# KiCad board ciaa_acc.kicad_pcb (continued)
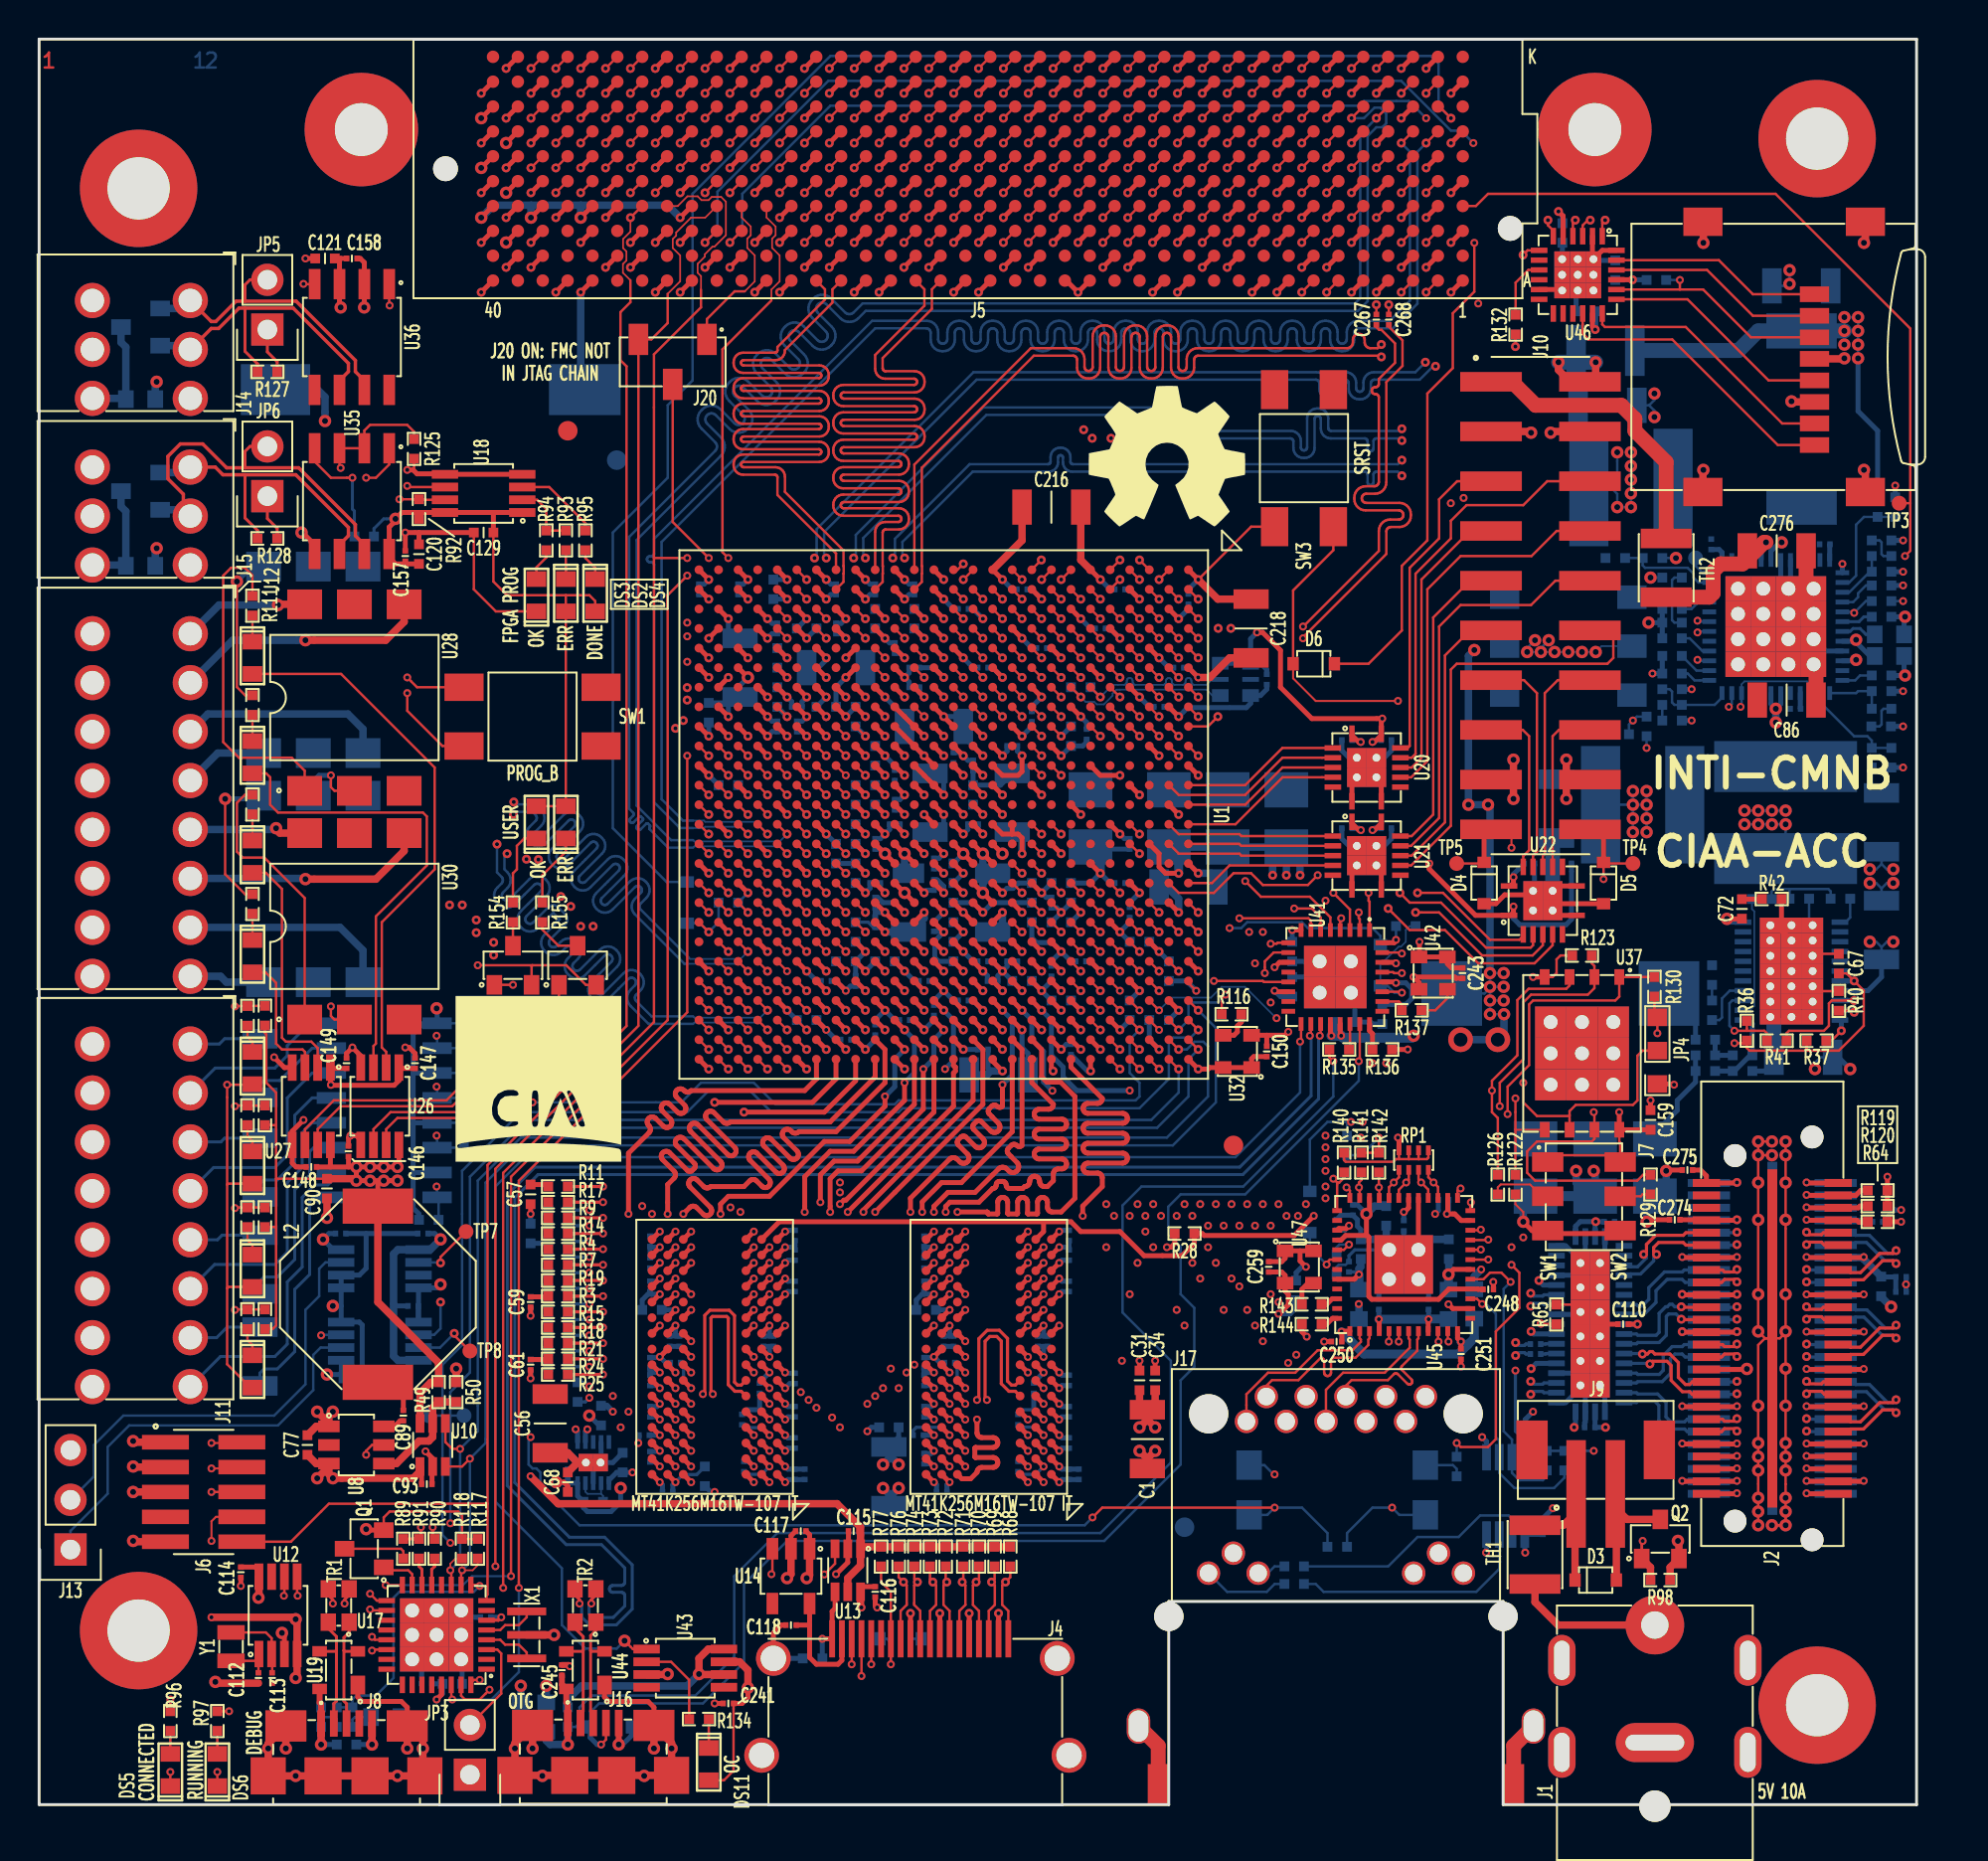
[diagram p0: board, top side]
## Routing (per net, layer and track width the routed paths; a pad name or vN(x,y) marks a point on that pad's centre or on a via; arc(x,y) is an arc through that point) (continued)
  BOT_L12.Sig w0.254: v1(38.1,22.07) 38.14,22.03 C63.2 ; U4.6 29.1,16.57 29.5,16.97 C71.2 v1(30.3,16.97) ; v1(52.1,22.07) 52.23,21.94 C64.2 ; C223.1 49.97,42.81 v2(50.2,42.57) ; v2(48.2,42.57) 48.44,42.34 C225.1
Net-(BT1-Pad1): length 72
  TOP_L1.Sig w0.254: 12.52,7.7 12.52,8.64 v3(12.4,8.77)
  L10.Sig w0.381: v3(12.4,8.77) 11.95,8.77 7.7,13.02 7.7,18.67 10.9,21.87 10.9,58.47 14.6,62.17 v3(14.6,70.67)
  BOT_L12.Sig w0.381: v3(14.6,70.67) 14.6,71.89 14.22,72.27 BT1.1
Net-(C67-Pad2): length 12.3
  TOP_L1.Sig w0.127: C67.2 92.32,42.45 v2(92.7,42.07) 93.19,41.58 93.19,39.78 91.92,38.51 90.27,38.51 ; R37.2 90.28,38.52 90.27,38.51 ; 90.27,38.51 87.36,38.51 87.22,38.65 R36.2 87.09,38.89 v1(86.59,38.89)
  BOT_L12.Sig w0.254: 91.98,42.07 91.98,42.07 v2(92.7,42.07)
Net-(C72-Pad1): length 4.6
  TOP_L1.Sig w0.254: C72.1 86.96,45.24 v3(86.2,45.24)
  BOT_L12.Sig w0.254: v3(86.2,45.24) 86.37,45.07 U5.11 ; R39.1 84.6,40.08 L1.1
Net-(C72-Pad2): length 1
  TOP_L1.Sig w0.254: R42.1 87.98,46.25 C72.2
Net-(C73-Pad2): length 0.8
  BOT_L12.Sig w0.127: C73.2 R38.2
Net-(C74-Pad1): length 1.7
  BOT_L12.Sig w0.254: R39.2 C74.1 C75.1
Net-(C75-Pad2): length 4.4
  BOT_L12.Sig w0.254: R44.1 R45.2 86.59,37.47 87.39,38.27 C75.2 87.5,39.88 87.31,40.07 U5.1
Net-(C84-Pad1): length 1.5
  BOT_L12.Sig w0.127: C84.1 84.4,61.07 84.75,61.42 U9.45
Net-(C85-Pad2): length 1.6
  BOT_L12.Sig w0.127: U9.24 92.75,57.42 93,57.67 C85.2
Net-(C87-Pad2): length 1.6
  BOT_L12.Sig w0.127: R47.1 83.21,61.88 83.4,62.07 83.4,62.55 83.52,62.67 C87.2
Net-(C88-Pad2): length 1.8
  BOT_L12.Sig w0.127: R48.1 94.2,55.97 94.1,55.87 94.1,55.17 94,55.07 C88.2
Net-(C89-Pad1): length 1.1
  TOP_L1.Sig w0.254: U8.6 18.15,19.32 18.44,19.61 C89.1
Net-(C89-Pad2): length 2.4
  TOP_L1.Sig w0.254: C89.2 18.6,21.07 18.1,21.57 L2.1
Net-(C91-Pad2): length 3.7
  BOT_L12.Sig w0.127: C91.2 83.52,60.37 83.4,60.49 83.4,61.57 83.71,61.88 R47.2 84.49,61.88 84.5,61.87 84.55,61.92 U9.46
Net-(C92-Pad2): length 3.1
  BOT_L12.Sig w0.127: U9.25 92.8,56.77 92.9,56.87 C92.2 R48.2
Net-(C94-Pad1): length 1
  BOT_L12.Sig w0.254: U9.1 85.95,63.96 85.8,64.11 C94.1
Net-(C95-Pad1): length 0.8
  BOT_L12.Sig w0.254: C95.1 89.95,55.98 U9.28
Net-(C96-Pad2): length 1.6
  BOT_L12.Sig w0.152: U9.18 92.95,60.42 92.95,60.42 93.2,60.67 C96.2
Net-(C97-Pad2): length 2
  BOT_L12.Sig w0.127: C97.2 93.3,62.27 92.9,61.87 92.9,61.67 92.65,61.42 U9.16
Net-(C98-Pad2): length 1.5
  BOT_L12.Sig w0.127: C98.2 84.2,57.77 84.55,57.42 U9.37
Net-(C99-Pad2): length 1.8
  BOT_L12.Sig w0.152: U9.19 92.49,59.92 92.64,60.07 93,60.07 93.3,59.77 C99.2
Net-(C100-Pad2): length 1.7
  BOT_L12.Sig w0.127: C100.2 94,64.57 94.1,64.47 94.1,63.87 94.2,63.77 R55.1
Net-(C101-Pad2): length 0.8
  BOT_L12.Sig w0.127: C101.2 R56.1
Net-(C103-Pad2): length 2.7
  BOT_L12.Sig w0.127: R55.2 C103.2 93.5,62.97 92.45,61.92 U9.15
Net-(C104-Pad2): length 4.1
  BOT_L12.Sig w0.127: U9.36 85.95,56.55 85.58,56.17 R56.2 83.52,56.17 83.4,56.29 83.4,56.85 83.28,56.97 C104.2
Net-(C105-Pad1): length 0.8
  BOT_L12.Sig w0.254: U9.12 91.45,64.36 C105.1
Net-(C106-Pad1): length 0.8
  BOT_L12.Sig w0.254: C106.1 87.45,55.98 U9.33
Net-(C112-Pad2): length 2.7
  TOP_L1.Sig w0.127: C112.2 11.2,7.67 U12.1 11.23,7.5 11.08,7.34 Y1.1
Net-(C113-Pad2): length 4
  TOP_L1.Sig w0.127: C113.2 11.9,7.67 U12.2 11.88,8.5 11.58,8.8 Y1.2
Net-(C122-Pad2): length 5.1
  TOP_L1.Sig w0.254: U1.M18 v2(48.2,45.57)
  BOT_L12.Sig w0.254: C122.2 48.7,46.07 v2(48.2,45.57) U1.M18 FB7.1
Net-(C242-Pad1): length 2.7
  TOP_L1.Sig w0.127: U1.H18 v2(52.2,45.57)
  BOT_L12.Sig w0.254: R139.1 v2(52.2,45.57) ; v2(52.2,45.57) R138.2 ; v2(52.2,45.57) 51.97,45.81 C242.1
Net-(C269-Pad1): length 23.7
  TOP_L1.Sig w0.254: v1(90.27,27.97) 90.3,27.94 J2.39 93.16,27.94 v1(93.19,27.97) ; v1(86.71,27.97) 86.69,27.94 J2.40 83.94,27.94 v1(83.92,27.97)
  L3.Sig w0.381: v1(93.19,27.97) v1(90.27,27.97) v1(86.71,27.97) v1(83.92,27.97)
  BOT_L12.Sig w0.254: v1(86.71,27.97) 86.69,27.94 J3.40 83.94,27.94 v1(83.92,27.97) ; R66.1 94.1,26.95 C270.1 C269.1 ; v1(90.27,27.97) 90.3,27.94 J3.39
  BOT_L12.Sig w0.381: J3.39 93.16,27.94 v1(93.19,27.97) 93.19,27.86 R66.1
Net-(D2-Pad2): length 84.2
  TOP_L1.Sig w0.127: v2(72.11,86.13) 71.51,86.73 J5.H2
  TOP_L1.Sig w0.152: J5.H2 71.43,86.73
  BOT_L12.Sig w0.127: D2.2 32.05,47.12 29.3,49.87 29.3,64.97 32.1,67.77 32.1,71.47 33.37,72.74 33.37,82.27 40.41,89.31 71.09,89.31 71.47,88.93 71.47,86.77 v2(72.11,86.13)
Net-(D3-Pad1): length 7.7
  TOP_L1.Sig w0.381: D3.1 80.56,15.81 J9.2 80.5,15.17 81.1,14.57 Q2.3
Net-(D3-Pad2): length 7.7
  TOP_L1.Sig w0.381: TH1.1 77.85,14.27 78.5,14.92 J9.1 78.44,15.81 D3.2
Net-(D6-Pad1): length 36.1
  TOP_L1.Sig w0.107: v1(69.4,56.37) 65.2,56.37 64.05,57.52 D6.1
  TOP_L1.Sig w0.127: D6.1 64.05,62.02 66.1,64.07 SW3.3 ; v1(59.1,41.57) 58.7,41.96 U1.A22
  L3.Sig w0.107: v1(69.4,56.37) 68.87,56.37 62.1,49.6 62.1,45.47 59.64,43.01 59.64,42.11 v1(59.1,41.57)
  BOT_L12.Sig w0.254: v1(59.1,41.57) 58.59,42.07 R131.1
Net-(D7-Pad1): length 6.3
  TOP_L1.Sig w0.127: v1(69.6,41.47) 69.55,41.52 U41.27
  BOT_L12.Sig w0.089: R133.1 70,44.87 69.8,44.67 69.8,44.07 69.55,43.82 69.43,43.82 68.5,42.89 D7.1
  BOT_L12.Sig w0.127: D7.1 68.87,41.81 69.21,41.47 v1(69.6,41.47)
Net-(D9-Pad1): length 2.7
  TOP_L1.Sig w0.127: 66.3,27.84 65.92,27.84 65.76,27.68 v1(65.76,27.59)
  BOT_L12.Sig w0.127: v1(65.76,27.59) 64.9,28.44 D9.1
Net-(DS2-Pad2): length 1.5
  TOP_L1.Sig w0.127: R93.1 26.9,62.59
Net-(DS3-Pad1): length 1.7
  TOP_L1.Sig w0.127: 25.4,62.59 25.4,63.19 25.9,63.69 R94.1
Net-(DS4-Pad2): length 1.7
  TOP_L1.Sig w0.127: R95.1 27.9,63.67 28.4,63.17 28.4,62.59
Net-(DS5-Pad1): length 1.2
  TOP_L1.Sig w0.127: R96.1 DS5.1
Net-(DS6-Pad1): length 1.2
  TOP_L1.Sig w0.127: R97.1 DS6.1
Net-(DS7-Pad2): length 1.4
  TOP_L1.Sig w0.127: R103.1 10.64,39.23 10.89,38.98 DS7.2
Net-(DS8-Pad2): length 1.5
  TOP_L1.Sig w0.127: R104.1 10.64,34.13 10.66,34.13 10.89,33.89 DS8.2
Net-(DS9-Pad2): length 1.5
  TOP_L1.Sig w0.127: R105.1 10.64,28.83 10.89,28.58 DS9.2
Net-(DS10-Pad2): length 1.4
  TOP_L1.Sig w0.127: DS10.2 10.89,23.48 10.64,23.73 10.64,23.73 R106.1
Net-(DS11-Pad2): length 1.5
  TOP_L1.Sig w0.127: R134.2 34.2,2.89
Net-(DS12-Pad2): length 4.1
  TOP_L1.Sig w0.127: DS12.2 24.77,49.34 24.4,48.97 24.4,47.77 24.2,47.57 R154.2
Net-(DS13-Pad2): length 3.8
  TOP_L1.Sig w0.127: DS13.2 26.9,48.67 25.7,47.47 R155.1
Net-(DS14-Pad1): length 27.8
  TOP_L1.Sig w0.127: DS14.1 15.42,57.75 20.2,52.97 20.2,47.77 17.5,45.07 17.5,38.67 17.73,38.45 U26.2
Net-(DS14-Pad2): length 1.3
  TOP_L1.Sig w0.127: DS14.2 R111.1
Net-(DS15-Pad1): length 24.6
  TOP_L1.Sig w0.127: 17.08,37.64 17.08,38.75 17.2,38.87 17.2,45.37 19.8,47.97 19.8,50.47 19.6,50.67 12.2,50.67 11.8,51.07 11.8,52.47 11.6,52.67 DS15.1
Net-(DS15-Pad2): length 1.3
  TOP_L1.Sig w0.127: DS15.2 R112.1
Net-(DS16-Pad1): length 12.5
  TOP_L1.Sig w0.127: U27.2 14.23,38.64 13.9,38.97 12.6,38.97 12.4,39.17 12.4,46.77 11.58,47.59 DS16.1
Net-(DS16-Pad2): length 1.3
  TOP_L1.Sig w0.127: R113.1 DS16.2
Net-(DS17-Pad1): length 7
  TOP_L1.Sig w0.127: DS17.1 11.56,42.51 12.1,41.97 12.1,38.87 12.4,38.57 13.45,38.57 13.58,38.45 13.58,37.64
Net-(DS17-Pad2): length 1.3
  TOP_L1.Sig w0.127: DS17.2 R114.1
Net-(FB5-Pad2): length 10.5
  L3.Sig w0.762: J14.3 J14.3
  BOT_L12.Sig w0.381: J14.3 4.39,71.82 FB5.2 4.43,74.44 4.18,74.69 U39.3
Net-(FB6-Pad2): length 10.6
  L3.Sig w0.762: J15.3 J15.3
  BOT_L12.Sig w0.381: J15.3 4.39,63.31 FB6.2 4.43,66.05 4.18,66.3 U40.3
Net-(FB8-Pad1): length 11.2
  TOP_L1.Sig w0.381: 34.97,7.95 34.17,7.95 33.7,7.47 v3(33.7,6.67) 33.73,6.64 U43.6
  BOT_L12.Sig w0.381: v3(33.7,6.67) 33.09,6.06 27.69,6.06 27,5.37 FB8.1
Net-(J4-Pad19): length 4
  TOP_L1.Sig w0.254: U13.4 40.65,10.02 40.5,9.87 J4.19 v1(40,8.47)
  BOT_L12.Sig w0.254: v1(40,8.47) R75.1
Net-(J7-Pad2): length 3.2
  TOP_L1.Sig w0.107: R126.1 74.5,31.53 74.65,31.68 76.14,31.68 76.75,31.07 J7.2
Net-(J7-Pad5): length 1.6
  TOP_L1.Sig w0.127: R129.2 81.9,31.17 81.8,31.07 J7.5
Net-(J10-Pad1): length 16
  TOP_L1.Sig w0.381: 75.2,72.47 75,72.67 J10.1
  TOP_L1.Sig w0.762: J10.1 75.23,72.67 76.43,71.47 80.81,71.47 81.5,70.78 81.5,70.17 83.1,68.57 TH2.2
Net-(J10-Pad2): length 6.1
  TOP_L1.Sig w0.381: v3(77.6,73.67) 77.6,73.27 78.2,72.67 79.2,72.67 79.2,72.68 79.5,72.97 v3(79.5,73.67)
  BOT_L12.Sig w0.381: 79,73.67 78.5,74.17 TH3.2
  BOT_L12.Sig w0.762: v3(77.6,73.67) v3(79.5,73.67)
Net-(J11-Pad1): length 8.7
  L3.Sig w0.762: J11.1 J11.1
  BOT_L12.Sig w0.152: J11.1 9.2,38.85 9.47,39.12 R99.2
Net-(J11-Pad2): length 14
  L3.Sig w0.762: J11.2 J11.2
  BOT_L12.Sig w0.152: U23.8 13.81,39.91 12.67,38.76 12.67,38.25 12.04,37.62 8.99,37.62 J11.2
Net-(J11-Pad3): length 8.6
  L3.Sig w0.762: J11.3 J11.3
  BOT_L12.Sig w0.152: R100.2 9.47,34.04 9.28,33.85 J11.3
Net-(J11-Pad4): length 16.4
  L3.Sig w0.762: J11.4 J11.4
  BOT_L12.Sig w0.152: J11.4 8.91,32.54 12.04,32.54 12.67,33.17 12.67,36.1 13.94,37.37 U23.6
Net-(J11-Pad5): length 8.7
  L3.Sig w0.762: J11.5 J11.5
  BOT_L12.Sig w0.152: R101.2 9.35,29.09 9.11,28.85 J11.5
Net-(J11-Pad6): length 18.8
  L3.Sig w0.762: J11.6 J11.6
  BOT_L12.Sig w0.152: U23.4 13.94,34.83 13.43,34.32 13.43,32.54 12.67,31.78 12.67,28.22 12.04,27.59 8.96,27.59 J11.6
Net-(J11-Pad7): length 8.8
  L3.Sig w0.762: J11.7 J11.7
  BOT_L12.Sig w0.152: R102.2 9.6,24.39 9.06,23.85 J11.7
Net-(J11-Pad8): length 20.9
  L3.Sig w0.762: J11.8 J11.8
  BOT_L12.Sig w0.152: U23.2 14.92,31.83 14.74,31.65 14.07,31.65 13.43,31.02 13.43,27.46 12.67,26.7 12.67,23.52 12.04,22.89 9.26,22.89 J11.8
Net-(J12-Pad1): length 11.5
  TOP_L1.Sig w0.381: U28.6 12.23,61.3 v3(12.2,61.27)
  L3.Sig w0.762: J12.1 J12.1
  BOT_L12.Sig w0.381: v3(12.2,61.27) 9.18,61.27 J12.1
Net-(J12-Pad2): length 18.1
  TOP_L1.Sig w0.381: v3(13.6,59.47) 17.7,59.47 18.64,60.41 U28.4
  L3.Sig w0.762: J12.2 J12.2
  BOT_L12.Sig w0.381: v3(13.6,59.47) 9.88,59.47 J12.2
Net-(J12-Pad3): length 16
  L3.Sig w0.762: J12.3 J12.3
  BOT_L12.Sig w0.381: U29.4 16.54,54.93 15.77,55.7 8.62,55.7 J12.3 7.88,54.97
Net-(J12-Pad4): length 9.3
  L3.Sig w0.762: J12.4 J12.4
  BOT_L12.Sig w0.381: J12.4 9.12,53.71 U29.6
Net-(J12-Pad5): length 11
  TOP_L1.Sig w0.381: U30.6 12.29,49.62 12.1,49.81 v3(12.1,49.87)
  L3.Sig w0.762: J12.5 J12.5
  BOT_L12.Sig w0.381: J12.5 12.03,49.81 v3(12.1,49.87)
Net-(J12-Pad6): length 17.4
  TOP_L1.Sig w0.381: v3(13.6,47.27) 17.2,47.27 18.64,48.71 U30.4
  L3.Sig w0.762: J12.6 J12.6
  BOT_L12.Sig w0.381: v3(13.6,47.27) 13.56,47.31 J12.6
Net-(J12-Pad7): length 15.9
  L3.Sig w0.762: J12.7 J12.7
  BOT_L12.Sig w0.381: U31.4 16.54,43.63 15.37,44.81 J12.7
Net-(J12-Pad8): length 8.9
  L3.Sig w0.762: J12.8 J12.8
  BOT_L12.Sig w0.381: J12.8 9.27,42.31 9.56,42.01 U31.6
Net-(J17-Pad11): length 4.4
  BOT_L12.Sig w0.127: J17.11 60.68,10.87 62.7,10.87 63.1,11.27 R150.2
Net-(J17-Pad13): length 1.5
  BOT_L12.Sig w0.127: R151.2 63.1,12.17 62.75,11.82 J17.13
Net-(J18-Pad1): length 10.8
  TOP_L1.Sig w0.127: U46.23 85.79,78.88 87.53,77.14 J18.1
Net-(J18-Pad2): length 11.1
  TOP_L1.Sig w0.127: J18.2 87.53,76.04 85.19,78.38 U46.22
Net-(J18-Pad3): length 12.3
  TOP_L1.Sig w0.127: 83.8,77.38 84.99,77.38 87.43,74.94 J18.3 ; 83.8,77.38 v1(83.8,77.87) ; 83.8,77.38 U46.20
  BOT_L12.Sig w0.127: R149.2 v1(83.8,77.87)
Net-(J18-Pad5): length 11.8
  TOP_L1.Sig w0.127: U46.19 84.19,76.88 88.33,72.74 J18.5
Net-(J18-Pad7): length 13.5
  TOP_L1.Sig w0.127: U46.18 79.83,75.61 79.97,75.47 84.1,75.47 89.03,70.54 J18.7
Net-(J18-Pad8): length 15.2
  TOP_L1.Sig w0.127: J18.8 88.8,69.44 83.41,74.83 79.15,74.83 78.83,75.15 78.83,75.6 78.83,75.61 U46.16
Net-(J20-Pad1): length 8.5
  TOP_L1.Sig w0.089: J5.D30 35.88,81.06 36.34,80.6 36.34,80.16 36.17,79.98 36.17,79.51 36.55,79.13 36.55,77.8 36.04,77.29
  TOP_L1.Sig w0.127: J20.1 34.11,75.88 35.52,77.29 36.04,77.29
Net-(J20-Pad2): length 25.3
  TOP_L1.Sig w0.127: J20.2 32.36,65.51 v1(34.2,63.67) ; U1.W10 v2(41.2,53.57)
  L5.Sig w0.107: v2(41.2,53.57) U1.W10 39.9,54.07 39.7,54.27 39.7,57.07 38.7,58.07 36.1,58.07 34.59,59.58 34.59,63.28 v1(34.2,63.67)
Net-(JP3-Pad2): length 5.1
  TOP_L1.Sig w0.127: U17.3 23.4,7.92 23.6,7.72 23.6,5.67 JP3.2
Net-(JP5-Pad1): length 2.4
  TOP_L1.Sig w0.152: JP5.1 11.66,74.2 12.16,73.7 R127.1
Net-(JP6-Pad1): length 2.4
  TOP_L1.Sig w0.152: JP6.1 11.66,65.69 12.16,65.19 R128.2
Net-(Q1-Pad1): length 2.1
  TOP_L1.Sig w0.127: Q1.1 17.75,11.97 18.85,11.97 19.05,11.77 U17.15
Net-(Q1-Pad3): length 3.4
  TOP_L1.Sig w0.127: Q1.3 18.48,13.07 18.6,12.95 R89.1
Net-(Q3-Pad3): length 1.2
  TOP_L1.Sig w0.127: R154.1 Q3.3
Net-(Q4-Pad3): length 2.5
  TOP_L1.Sig w0.127: Q4.3 26.52,43.87 25.7,44.69 R155.2
Net-(R1-Pad1): length 1.4
  TOP_L1.Sig w0.254: U1.V21 v2(42.2,42.57)
  BOT_L12.Sig w0.254: R1.1 v2(42.2,42.57)
Net-(R2-Pad1): length 1.4
  TOP_L1.Sig w0.254: U1.W21 v2(41.2,42.57)
  BOT_L12.Sig w0.254: U1.W21 v2(41.2,42.57)
Net-(R29-Pad1): length 1.3
  TOP_L1.Sig w0.254: U2.L8 v1(46.5,25.27)
  BOT_L12.Sig w0.254: R29.1 v1(46.5,25.27)
Net-(R30-Pad1): length 1.3
  TOP_L1.Sig w0.254: U3.L8 v1(32.5,25.27)
  BOT_L12.Sig w0.254: R30.1 v1(32.5,25.27)
Net-(R31-Pad1): length 2.3
  BOT_L12.Sig w0.089: 28.7,15.87 28.8,15.77 R31.1 ; 28.7,15.87 U4.7 ; 28.7,15.87 28.01,15.87 27.9,15.98 U4.9
Net-(R33-Pad2): length 4.4
  BOT_L12.Sig w0.127: 89.38,46.76 89.4,46.74 R34.1 ; 89.38,46.76 91.38,46.76 91.5,46.65 R33.2 ; 89.38,46.76 88.61,46.76 88.48,46.63 R35.1
Net-(R35-Pad2): length 6.2
  BOT_L12.Sig w0.089: U5.2 87.38,40.57 87.6,40.8 87.6,45.62 87.48,45.74 R35.2
Net-(R36-Pad1): length 4.9
  TOP_L1.Sig w0.127: 87.22,39.53 88.11,39.53 88.25,39.39 R41.1 ; 87.22,39.53 v1(86.59,39.53) ; 87.22,39.53 R36.1
  BOT_L12.Sig w0.127: U5.3 86.47,41.07 86.33,40.93 86.33,39.78 v1(86.59,39.53)
Net-(R37-Pad1): length 1.6
  TOP_L1.Sig w0.127: R37.1 91.54,39.02 v2(92.05,39.52)
  BOT_L12.Sig w0.254: v2(92.05,39.52) 92.05,40.01 91.98,40.07
Net-(R38-Pad1): length 2.8
  BOT_L12.Sig w0.127: U5.4 86.35,41.57 85.95,41.18 85.95,40.2 85.82,40.07 R38.1
Net-(R40-Pad1): length 1.6
  TOP_L1.Sig w0.127: R40.1 92.62,40.55 v2(92.7,40.47)
  BOT_L12.Sig w0.254: U5.21 92.6,40.57 v2(92.7,40.47)
Net-(R41-Pad2): length 5.9
  TOP_L1.Sig w0.127: R41.2 89.25,39.39 89.38,39.53 91.16,39.53 91.41,39.78 91.41,40.92 91.56,41.07 v2(92.7,41.07)
  BOT_L12.Sig w0.254: 91.98,41.07 91.98,41.07 v2(92.7,41.07)
Net-(R43-Pad2): length 2.1
  BOT_L12.Sig w0.127: U7.1 72.21,17.34 72.4,17.15 R43.2
Net-(R46-Pad1): length 57
  TOP_L1.Sig w0.127: v1(16.7,17.87) 16.7,18.07 17,18.37 U8.5 ; v1(53.8,14.67) 54.3,15.17 v1(63.1,15.17)
  L10.Sig w0.107: v1(25.1,18.77) 17.6,18.77 v1(16.7,17.87)
  BOT_L12.Sig w0.127: v1(25.1,18.77) 25,18.67 25,17.37 25.2,17.17 25.4,17.17 25.6,16.97 25.6,16.27 27.6,14.27 53.4,14.27 v1(53.8,14.67) ; R46.1 65.8,13.87 64.5,15.17 v1(63.1,15.17) 62.73,14.8 U7.3
Net-(R49-Pad2): length 5.9
  TOP_L1.Sig w0.381: R50.2 R49.2 20.1,20.27 U10.5 20.1,18.77 19.9,18.57 19.4,18.57 18.25,17.42 U8.4
Net-(R51-Pad2): length 5.2
  BOT_L12.Sig w0.127: R51.2 R52.1 81.9,63.29 82.02,63.17 84.2,63.17 84.5,62.87 84.5,62.67 84.75,62.42 U9.47
Net-(R53-Pad2): length 5.3
  BOT_L12.Sig w0.127: R54.1 R53.2 93.6,54.35 93.38,54.57 92.7,54.57 90.95,56.32 U9.26
Net-(R58-Pad1): length 1.7
  BOT_L12.Sig w0.127: U9.40 84.95,58.92 84.3,59.57 R58.1
Net-(R59-Pad2): length 1.7
  BOT_L12.Sig w0.127: U9.38 84.65,57.92 R59.2
Net-(R60-Pad2): length 5.6
  BOT_L12.Sig w0.127: R61.1 R60.2 93.2,65.77 92.8,65.37 92.8,62.77 92.45,62.42 U9.14
Net-(R62-Pad2): length 7.5
  L10.Sig w0.127: v1(81.4,55.37) 82.1,56.07 v1(86.3,56.07)
  BOT_L12.Sig w0.127: v1(86.3,56.07) 86.45,56.22 U9.35 ; R62.2 81.2,55.17 v1(81.4,55.37) 81.6,55.57 R63.1
Net-(R64-Pad1): length 27
  TOP_L1.Sig w0.147: v1(76.7,24.57) 76.73,24.54 R65.1
  TOP_L1.Sig w0.254: R64.1 v1(95.1,29.77)
  L10.Sig w0.107: v1(76.7,24.57) 77.5,25.37 77.5,28.87 80.4,31.77 85.1,31.77 85.6,32.27 91.3,32.27 93.8,29.77 v1(95.1,29.77)
  BOT_L12.Sig w0.147: R65.1 76.73,24.54 v1(76.7,24.57)
Net-(R80-Pad1): length 33.3
  TOP_L1.Sig w0.127: SW1.3 20.6,54.07 18.8,55.87 v1(18.8,56.77) ; U1.V9 v2(42.2,54.57)
  L5.Sig w0.127: v1(33.1,58.37) 20.4,58.37 v1(18.8,56.77)
  L8.Sig w0.107: v2(42.2,54.57) 41.7,54.07 40.9,54.07 40.7,54.27 40.7,54.64 40.27,55.07 39.9,55.07 39.7,55.27 39.7,57.07 38.7,58.07 33.4,58.07 v1(33.1,58.37)
  BOT_L12.Sig w0.254: U1.V9 v2(42.2,54.57)
Net-(R90-Pad2): length 1.4
  TOP_L1.Sig w0.152: R90.2 20.2,12.17 20.05,12.02 20.05,12.02 U17.13
Net-(R91-Pad2): length 1.4
  TOP_L1.Sig w0.152: U17.14 19.55,12.02 19.4,12.17 R91.2
Net-(R93-Pad2): length 3.5
  TOP_L1.Sig w0.127: R93.2 R94.2 25.9,66.17 25.42,66.65 24.67,66.65
Net-(R95-Pad2): length 4.4
  TOP_L1.Sig w0.127: U18.3 26.05,67.3 27.9,65.45 R95.2
Net-(R99-Pad1): length 5.1
  BOT_L12.Sig w0.152: R99.1 11.27,36.77 11.49,36.98 12.29,36.98 13.94,38.64 U23.7
Net-(R100-Pad1): length 7.5
  BOT_L12.Sig w0.152: U23.5 13.94,36.1 13.05,35.21 13.05,32.79 12.16,31.91 11.49,31.91 11.27,31.69 R100.1
Net-(R101-Pad1): length 9.9
  BOT_L12.Sig w0.152: R101.1 11.27,26.74 11.49,26.95 12.16,26.95 13.05,27.84 13.05,31.4 13.81,32.16 13.81,33.35 14.02,33.56 U23.3
Net-(R102-Pad1): length 12.1
  BOT_L12.Sig w0.152: R102.1 11.27,22.04 11.49,22.25 12.16,22.25 13.05,23.14 13.05,26.32 13.81,27.08 13.81,30.81 14.02,31.02 U23.1
Net-(R111-Pad2): length 17.2
  TOP_L1.Sig w0.127: R111.2 10.89,62.78 10.5,63.17 9.8,63.17 9.4,62.77 9.4,54.27 10.2,53.47 12.9,53.47 13.56,52.81 U28.1
Net-(R112-Pad2): length 8
  TOP_L1.Sig w0.127: R112.2 10.52,56.66 10.1,57.08 v3(10.1,62.47)
  BOT_L12.Sig w0.254: v3(10.1,62.47) 10.86,63.23 U29.1
Net-(R113-Pad2): length 14.1
  TOP_L1.Sig w0.127: R113.2 10.52,51.58 10.1,51.17 10.1,48.67 10.4,48.37 11.5,48.37 13.56,46.31 13.56,40.1
Net-(R114-Pad2): length 7.7
  TOP_L1.Sig w0.127: v3(9.5,51.37) 9.5,47.52 10.52,46.5 R114.2
  BOT_L12.Sig w0.254: U31.1 11.3,51.37 v3(9.5,51.37)
Net-(R115-Pad2): length 1.4
  TOP_L1.Sig w0.127: U1.AB8 v2(38.2,55.57)
  BOT_L12.Sig w0.254: U1.AB8 v2(38.2,55.57)
Net-(R116-Pad1): length 1.8
  TOP_L1.Sig w0.254: U32.3 61.03,39.3 61.2,39.47 61.2,39.77 61.4,39.97 R116.1
Net-(R116-Pad2): length 5.4
  TOP_L1.Sig w0.127: v1(60.6,41.37) 60.4,41.17 R116.2 ; U1.B24 v2(58.2,39.57)
  BOT_L12.Sig w0.127: v2(58.2,39.57) 58.7,40.07 58.7,40.87 58.8,40.97 60.2,40.97 v1(60.6,41.37)
Net-(R132-Pad2): length 42.8
  TOP_L1.Sig w0.127: v2(75.4,74.47) 75.41,74.48 R132.2 ; U1.C22 v2(57.2,41.57)
  L3.Sig w0.107: v2(75.4,74.47) 75.4,73.07 71.8,69.47 71.8,67.07 69.2,64.47 69.2,57.37 61.1,49.27 61.1,45.77 59.4,44.07 58.9,44.07 58.7,43.87 58.7,41.87 58.4,41.57 v2(57.2,41.57)
Net-(R134-Pad1): length 4.6
  TOP_L1.Sig w0.127: R134.1 33.2,6.37 32.27,7.3 U43.2
Net-(R135-Pad1): length 1.3
  TOP_L1.Sig w0.127: U41.22 66.95,38.62 R135.1
Net-(R136-Pad1): length 1.4
  TOP_L1.Sig w0.254: R136.1 68.1,39.37 67.95,39.52 U41.24
Net-(R137-Pad1): length 1.4
  TOP_L1.Sig w0.127: R137.1 69.6,40.87 69.45,41.02 U41.26
Net-(R137-Pad2): length 2
  TOP_L1.Sig w0.127: R137.2 71.3,40.57 71.92,41.2 U42.3
Net-(R143-Pad1): length 0.9
  TOP_L1.Sig w0.254: 66.3,25.84 66.04,25.84 65.76,25.56 R143.1
Net-(R143-Pad2): length 1.5
  TOP_L1.Sig w0.254: U47.3 64.81,26.64 64.5,26.33 R143.2
Net-(R144-Pad2): length 0.9
  TOP_L1.Sig w0.254: 66.3,24.84 66.06,24.84 65.76,24.54 R144.2
Net-(R150-Pad1): length 12.4
  BOT_L12.Sig w0.127: R150.1 65.2,11.27 65.6,10.87 73.4,10.87 74.58,12.05 U48.3
Net-(R151-Pad1): length 12.6
  BOT_L12.Sig w0.127: R151.1 68.9,12.17 70.4,13.67 72.5,13.67 73.6,14.77 75.05,14.77 75.22,14.6 75.22,13.8
Net-(R152-Pad2): length 1.4
  TOP_L1.Sig w0.127: U1.H9 v2(52.2,54.57)
  BOT_L12.Sig w0.254: R152.2 v2(52.2,54.57)
Net-(TP2-Pad1): length 1.2
  BOT_L12.Sig w0.127: U9.48 84.95,62.92 84.6,63.27 TP2.1
Net-(U17-Pad4): length 2.6
  TOP_L1.Sig w0.127: X1.1 24.9,7.77 24.5,8.17 23.8,8.17 23.55,8.42 U17.4
Net-(U17-Pad5): length 2.6
  TOP_L1.Sig w0.127: X1.2 24.9,9.57 24.5,9.17 23.8,9.17 23.55,8.92 U17.5
Net-(U41-Pad17): length 75.8
  TOP_L1.Sig w0.127: v1(64.4,38.97) 64.45,39.02 U41.17 64.45,39.62 ; v3(29.9,8.37) 30.33,7.95 31.02,7.95
  BOT_L12.Sig w0.127: v3(29.9,8.37) 29.5,7.97 27.9,7.97 26.7,9.17 26.7,12.07 23.3,15.47 23.3,31.57 24.8,33.07 61.1,33.07 64.4,36.37 v1(64.4,38.97)

## Copper pours and planes (outline as drawn; the poured copper is in the pictures)
+1.0V on BOT_L12.Sig: 76.2,53.07 76.2,35.87 83.8,35.87 83.8,32.87 72.3,32.87 70.6,34.57 70.6,45.17 38.5,45.17 38.5,50.77 33.5,50.77 33.5,63.37 44.8,63.37 48.3,66.87 73.7,66.87 73.7,55.57 ; 1 cut-out
+1.0V on L10.Sig: 75.8,60.57 68.1,60.57 62.7,55.17 56.3,55.17 52.4,59.07 52.4,60.27 35,60.27 35,55.47 38.5,55.47 38.5,50.07 41.5,50.07 41.5,45.87 43.4,45.87 43.4,44.77 50.9,44.77 50.9,46.47 70,46.47 70,40.77 72.3,38.47 75.1,38.47 75.8,39.17
+1.2V on BOT_L12.Sig: 95,49.37 86.2,49.37 86.7,49.87 86.7,51.17 92.7,51.17 93.2,51.67 93.2,52.17 95,52.17
+1.2V on L11.GND: 33.7,63.27 52.8,63.27 52.8,55.37 62.7,55.37 64.2,56.87 90.3,56.87 90.3,48.47 79.9,48.47 78.5,49.87 44.9,49.87 44.9,55.87 33.7,55.87
+1.5V on BOT_L12.Sig: 80.5,52.67 81,52.17 82.5,52.17 82.5,49.27 81,49.27 80.5,48.77
+1.5V on BOT_L12.Sig: 74.1,57.27 74.1,56.07 76.6,53.57 76.6,51.87 78.8,51.87 78.8,49.57 80.7,49.57 80.7,55.07 81.9,56.27 81.9,57.27
+1.5V on L6.GND: 82.8,52.37 76.7,52.37 70.1,45.77 70.1,40.17 53.1,40.17 53.1,43.47 39,43.47 39,36.67 32.5,36.67 27.5,31.67 27.5,19.67 31,16.17 57.6,16.17 57.6,22.27 65.4,22.27 65.4,34.67 82.8,34.67
+1.8V on BOT_L12.Sig: 79.9,69.87 80.3,69.47 81.7,69.47 81.7,65.87 80.4,65.87 79.9,65.37
+1.8V on BOT_L12.Sig: 74.1,61.07 74.1,66.17 78.2,70.27 80.1,70.27 80.1,64.27 82.1,62.27 82.1,61.07
+1.8V on BOT_L12.Sig: 78.1,72.37 78.1,69.57 79.1,69.67 79.1,72.37
+1.8V on L6.GND: 81.8,69.77 70.5,69.77 70.5,59.27 63.5,52.27 50,52.27 44.9,57.37 44.9,58.47 40.5,58.47 40.5,43.87 53.5,43.87 53.5,41.17 69.7,41.17 69.7,46.27 81.9,58.47
+3.3V on BOT_L12.Sig: 88.2,76.17 91,76.17 91,78.47 93.3,78.47 93.3,73.47 88.2,73.47
+3.3V on L5.Sig: 94.1,78.87 80.6,78.87 80.6,76.17 71.4,76.17 71.4,59.97 63.7,52.27 49.9,52.27 44.9,57.27 41,57.27 41,48.77 52.4,48.77 52.4,43.37 53,42.77 53,37.47 59.4,37.47 59.4,47.77 70.9,47.77 70.9,38.57 77.1,32.37 86.4,32.37 86.4,64.37 94.1,64.37
+3.3V on L5.Sig: 76.7,34.47 76.7,28.27 64,28.27 64,24.17 62.5,22.67 31.2,22.67 27.7,19.17 27.7,17.17 28.9,15.97 47.8,15.97 49.9,13.87 49.9,6.47 36.8,6.47 33.3,9.97 25.3,9.97 19.7,15.57 19.7,74.57 25.3,80.17 25.3,82.07 9.3,82.07 9.3,19.77 3.9,19.77 3.9,12.77 9.3,12.77 9.3,4.87 29.8,4.87 33.8,0.87 86.4,0.87 86.4,34.47 ; 1 cut-out
+5V on TOP_L1.Sig: 94.9,52.57 95.4,52.07 95.4,33.97 93.6,32.17 89.9,32.17 89.9,9.17 87.6,6.87 79.6,6.87 79.6,10.77 83.7,10.77 87.1,14.17 87.1,38.17 91.9,38.17 93.4,39.67 93.4,42.67 91.4,44.67 91.4,45.47 90.8,46.07 90.8,50.07 85.1,55.77 85.1,65.87 94.9,65.87
+5V on BOT_L12.Sig: 88.3,57.17 88.3,54.97 89.1,54.97 89.1,57.17
+5V on BOT_L12.Sig: 87.1,32.17 87.1,36.87 89.4,36.87 89.4,39.07 92.4,39.07 93.1,39.77 93.1,42.37 91.5,42.37 91.5,45.37 95.4,45.37 95.4,33.97 93.6,32.17
+5V on BOT_L12.Sig: 87.8,63.17 87.8,64.87 89.4,64.87 89.4,64.07 88.7,64.07 88.6,63.97 88.6,63.17
+5V on BOT_L12.Sig: 89.9,9.17 87.6,6.87 79.6,6.87 79.6,15.37 87.1,15.37 87.1,34.37 89.9,34.37
+5V on L8.Sig: 12.7,15.37 21.3,15.37 25.2,11.47 31.9,11.47 33.7,9.67 43.5,9.67 43.5,12.27 58.3,12.27 59.7,13.67 74.4,13.67 80.1,7.97 84.4,7.97 84.4,14.67 82,17.07 78.2,17.07 77.4,17.87 58.7,17.87 56,15.17 25.9,15.17 22.4,18.67 12.7,18.67
GND on TOP_L1.Sig: 8.6,9.77 13.4,9.77 13.4,5.87 8.6,5.87
GND on TOP_L1.Sig: 23.7,10.57 26.6,10.57 26.6,8.47 26.2,8.07 26.2,6.77 23.7,6.77
GND on BOT_L12.Sig: 93.2,49.17 93.2,45.67 95,45.67 95,49.17
GND on BOT_L12.Sig: 89.8,78.77 88,78.77 88,76.67 89.8,76.67
GND on BOT_L12.Sig: 81.1,72.37 82.9,72.37 82.9,70.57 81.1,70.57
GND on L2.GND: 0,90.17 95.9,90.17 95.9,-0.03 0,-0.03
GND on L4.GND: 0,90.17 95.9,90.17 95.9,-0.03 0,-0.03
GND on L6.GND: 0,90.17 95.9,90.17 95.9,-0.03 0,-0.03
GND on L7.GND: 0,90.17 95.9,90.17 95.9,-0.03 0,-0.03
GND on L9.GND: 0,90.17 95.9,90.17 95.9,-0.03 0,-0.03
GND on L11.GND: 0,90.17 95.9,90.17 95.9,-0.03 0,-0.03
VCCO_HP on BOT_L12.Sig: 74.1,58.57 74.1,59.77 82.1,59.77 82.1,58.57
VCCO_HP on L7.GND: 81.1,60.77 71.7,70.17 71.7,87.17 69.5,89.37 66.4,89.37 66.4,66.57 63.1,63.27 45.2,63.27 45.2,48.37 71.2,48.37 81.1,58.27
VCCO_HR on TOP_L1.Sig: 15.5,32.87 19.1,32.87 19.1,29.97 15.5,29.97
VCCO_HR on BOT_L12.Sig: 16,31.57 16,38.77 18.7,41.47 18.7,83.27 22,86.57 24.8,86.57 24.8,81.97 22.9,81.97 20.4,79.47 20.4,40.97 18.7,39.27 18.7,31.57
VCCO_HR on L3.Sig: 33.4,52.77 34.4,53.77 40.9,53.77 40.9,32.67 24.9,32.67 22.5,30.27 17.5,30.27 15.9,31.87 15.9,34.67 23.9,42.67 32,42.67 33.6,44.27 37.5,44.27 37.5,45.87 35.4,45.87 35.4,47.27 36.5,47.27 36.5,48.77 33.4,48.77
/Principal/BANK_0/CHS_DBG on BOT_L12.Sig: 10.8,4.87 10.8,0.47 20.6,0.47 20.6,4.87 17.7,4.87 17.7,3.27 13.7,3.27 13.7,4.87
/Principal/BANK_501/CHS_OTG on BOT_L12.Sig: 23.4,4.87 23.4,0.47 33.2,0.47 33.2,4.87 30.3,4.87 30.3,3.27 26.3,3.27 26.3,4.87
DDR_VTT on TOP_L1.Sig: 25.4,31.97 26.5,31.97 26.5,21.67 27,21.17 27,20.17 28.7,20.17 29.2,19.67 29.2,19.07 25.4,19.07
DDR_VTT on BOT_L12.Sig: 26.5,30.77 26.5,21.67 27,21.17 27,20.17 28.7,20.17 29.2,19.67 29.2,18.17 28.2,18.17 28.2,18.87 28,19.07 25.4,19.07 25.4,30.77
